# Altium PCB BMS-P00-V00_Edits.PcbDoc (part 2 of 2)
Units mm, origin at the board's own origin, x right, y up, seen from the top; angles counter-clockwise.
Board outline 74.42 x 160 mm, 2 copper layers (Top Layer, Bottom Layer); 192 components, 128 nets, 591 pads, 88 vias.
Unrouted connection lines stored in the file: 78.
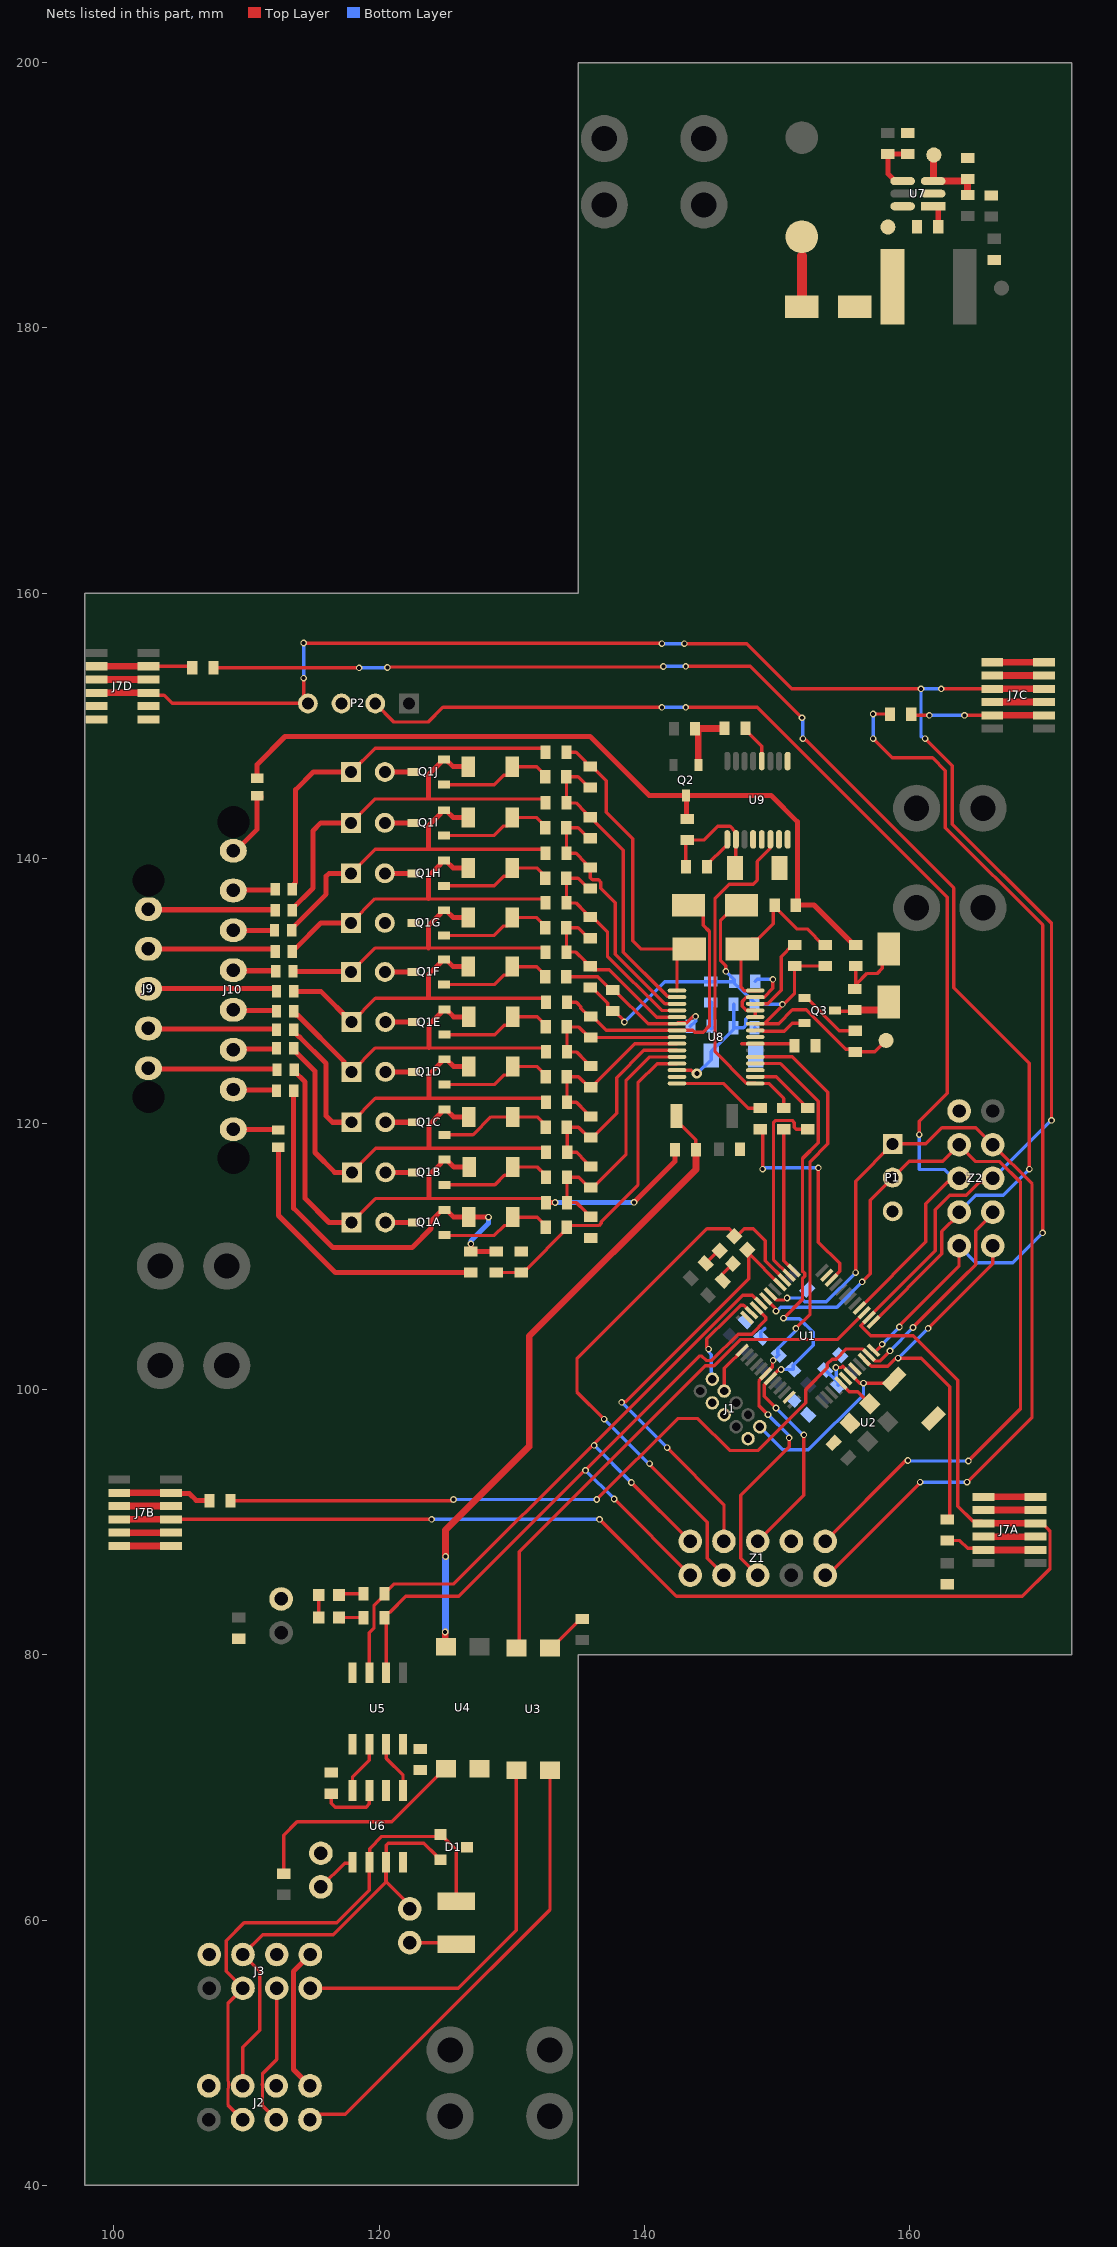
[diagram p2: the nets of this part, all layers, seen from the top]

## Via types
v1: diameter 0.5, hole 0.3, Top Layer to Bottom Layer, 87 vias
v2: diameter 0.762, hole 0.381, Top Layer to Bottom Layer, 1 vias

## Nets (pads, with @x,y where several pads share a name; then routed paths per layer and width w, separated by ;. In a path a pad name is that pad's centre, name@x,y a point inside that pad or via, vN(x,y) a via of type N, cw(c..) or ccw(c..) an arc to the next point about the centre after c; other vN are vias at no path point) (continued)
"BMS BOOT REF": R30.1 SW2.2 U4.4 | length 48.7
  Top Layer w0.254: U4.4@124.928,80.586 U4.4@124.968,80.546 ; SW2.2@142.4,120.6 142.4,120.156 142.717,119.838 142.844,119.838 143.266,119.417 143.867,118.816 R30.1@143.867,118.074 R30.1@143.793,118
  Top Layer w0.508: U4.4@124.968,80.546 v1(124.968,81.713) ; v1(125,87.4) 125,89.4 131.3,95.7 131.3,104 143.867,116.567 143.867,117.926 R30.1@143.793,118
  Bottom Layer w0.508: v1(124.968,81.713) 125,81.745 v1(125,87.4)
"BMS nALARM IN": J2.7 U3.4 | length 34.9
  Top Layer w0.254: J2.7@115,45.06 115.291,45.351 117.428,45.351 123.815,51.739 132.87,60.793 U3.4@132.87,71.3
"BMS nALARM OUT": J3.7 U3.3 | length 29.4
  Top Layer w0.254: J3.7@114.808,54.864 125.964,54.864 130.33,59.23 U3.3@130.33,71.3
"BMS nALARM RETURN": J2.8 J3.8 | length 10.9
  Top Layer w0.381: J2.8@114.78,47.498 113.538,48.74 113.538,56.134 J3.8@114.808,57.404
C0: F13.1 J10.8 | length 3.4
  Top Layer w0.381: J10.8@109,119.6 109.025,119.575 112.375,119.575 F13.1@112.4,119.55
C10: F1.1 J10.1 | length 5.3
  Top Layer w0.381: J10.1@109,140.6 109.185,140.6 110.8,142.215 F1.1@110.8,144.75 F1.1@110.925,144.75
  Top Layer w0.508: F1.1@110.925,144.75 111.021,144.654 F1.1@111.021,144.63
"CAN H": D1.2 J2.4 J3.4 J5.1 U6.7 | length 35.3
  Top Layer w0.254: J2.4@109.7,47.498 109.7,50.4 110.998,51.698 110.998,55.39 110.998,56.134 J3.4@109.728,57.404 111.224,58.9 116.543,58.9 120.521,62.879 ; 120.5,62.925 U6.7@120.5,63.91 ; J5.1@122.3,60.84 122.3,61.1 120.521,62.879 ; D1.2@124.6,64.55 124.55,64.55 124.277,64.823 124.277,64.873 123.35,65.8 120.67,65.8 120.521,65.651 U6.7@120.521,64.364 120.521,63.91 120.521,62.879
"CAN L": D1.1 J2.3 J3.3 R10.1 U6.6 | length 41.8
  Top Layer w0.254: J2.3@109.7,44.958 108.674,45.984 108.6,46.058 108.6,47.247 ccw(c107.38,47.6) 108.6,47.953 108.6,53.736 J3.3@109.728,54.864 108.458,56.134 108.458,58.458 109.806,59.806 116.806,59.806 119.251,62.251 U6.6@119.251,64.364 119.271,64.383 119.271,65.371 120.2,66.3 124.45,66.3 D1.1@124.6,66.45 124.65,66.45 125.8,65.3 R10.1@125.8,61.425
"CAN LBK": J6.2 U6.5 | length 3.2
  Top Layer w0.254: J6.2@115.6,62.5 117.385,64.285 117.903,64.285 U6.5@117.981,64.364
"CAN LED": DS3.1 DS4.1 J4.2 | length 2.7
  Top Layer w0.254: J4.2@112.308,84.492 J4.2@112.6,84.2 J4.2@112.792,84.008 ; DS3.1@115.438,82.8 DS4.1@115.438,84.5
  Top Layer w0.381: DS3.1@115.438,82.8 DS3.1@115.652,83.014
"CAN RX": R9.1 U1.32 U5.3 Z1.9 | length 54.8
  Top Layer w0.254: U5.3@119.253,78.646 119.253,81.653 119.6,82 119.6,83.68 120.393,84.473 R9.1@120.393,84.6 121.124,85.331 125.631,85.331 v1@136.2,95.9 ; v1(136.2,95.78) v1@136.2,95.9 ; v1(139,92.98) Z1.9@143.44,88.54 ; U1.32@148.809,106.479 148.744,106.479 148.123,107.1 147.4,107.1 v1@136.2,95.9
  Bottom Layer w0.254: v1(136.2,95.78) v1(139,92.98)
"CAN RX LED": DS4.2 R9.2 | length 2.2
  Top Layer w0.254: DS4.2@116.962,84.5 117.062,84.6 R9.2@118.807,84.6
  Top Layer w0.381: DS4.2@116.962,84.5 DS4.2@117.216,84.246
"CAN TX": R8.1 U1.33 U5.2 Z1.10 | length 55
  Top Layer w0.254: R8.1@120.393,82.8 120.523,82.67 U5.2@120.523,78.646 ; R8.1@120.393,82.927 120.647,83.181 120.774,83.181 121.993,84.4 126,84.4 135.5,93.9 v1(135.54,93.9) ; v1@135.52,93.92 144.11,102.51 144.321,102.51 144.654,102.177 145.063,102.177 147.046,104.16 148.062,104.16 149.133,105.231 149.133,105.441 148.448,106.126 U1.33@148.423,106.126 ; v1(137.7,91.74) Z1.10@143.44,86
  Top Layer w0.381: R8.1@120.393,82.8 R8.1@120.393,82.927
  Bottom Layer w0.254: v1(135.54,93.9) v1(137.7,91.74)
"CAN TX LED": DS3.2 R8.2 | length 2.2
  Top Layer w0.254: DS3.2@116.962,82.8 R8.2@118.807,82.8
  Top Layer w0.381: DS3.2@116.962,82.8 DS3.2@117.216,82.546
"CELL ALERT": R32.2 U1.22 | length 16.7
  Top Layer w0.254: R32.2@148.7,119.607 148.9,119.407 v1(148.9,116.6) ; v1(153.1,116.7) 153.1,111.092 154.695,109.497 154.695,108.895 154.08,108.28 U1.22@154.08,108.247
  Bottom Layer w0.254: v1(148.9,116.6) 149,116.7 v1(153.1,116.7)
CHG: R29.2 U1.26 | length 15.1
  Top Layer w0.254: U1.26@150.898,108.601 149.713,109.786 149.713,120.103 149.876,120.267 151.124,120.267 151.287,120.103 151.287,119.755 151.436,119.607 R29.2@152.3,119.607
"CHG EN": R29.1 U8.2 | length 5.7
  Top Layer w0.254: U8.2@149.024,123.547 148.349,123.547 U8.2@148.34,123.556 149.024,123.556 149.937,123.556 151.919,121.574 151.919,121.447 152.173,121.193 R29.1@152.3,121.193
CV0: F12.1 J10.7 | length 3.4
  Top Layer w0.381: J10.7@109,122.6 109.05,122.55 112.3,122.55 F12.1@112.35,122.5
CV1: F11.1 J9.5 | length 9.7
  Top Layer w0.381: J9.5@102.6,124.2 102.65,124.15 112.25,124.15 F11.1@112.3,124.1
CV2: F10.1 J10.6 | length 3.3
  Top Layer w0.381: J10.6@109,125.6 109.05,125.65 112.2,125.65 F10.1@112.25,125.7
CV3: F9.1 J9.4 | length 9.7
  Top Layer w0.381: J9.4@102.6,127.2 102.65,127.15 112.2,127.15 F9.1@112.25,127.1
CV4: F8.1 J10.5 | length 3.3
  Top Layer w0.381: J10.5@109,128.6 109.05,128.55 112.2,128.55 F8.1@112.25,128.5
CV5: F7.1 J9.3 | length 9.8
  Top Layer w0.381: J9.3@102.6,130.2 112.09,130.2 112.25,130.04 F7.1@112.25,130
CV6: F6.1 J10.4 | length 3.2
  Top Layer w0.381: J10.4@109,131.6 109.05,131.55 112.15,131.55 F6.1@112.2,131.5
CV7: F5.1 J9.2 | length 9.8
  Top Layer w0.381: J9.2@102.6,133.2 111.99,133.2 112.15,133.04 F5.1@112.15,133
  Top Layer w0.508: F5.1@112.15,133 F5.1@112.222,132.928
CV8: F4.1 J10.3 | length 3.1
  Top Layer w0.381: J10.3@109,134.6 F4.1@112.1,134.6
CV9: F3.1 J9.1 | length 9.6
  Top Layer w0.381: J9.1@102.6,136.2 102.65,136.15 112.1,136.15 F3.1@112.15,136.1
CV10: F2.1 J10.2 | length 3.2
  Top Layer w0.381: J10.2@109,137.6 109.05,137.65 112.1,137.65 F2.1@112.15,137.7
CVF0: D3A.A F12.2 Q1A.S R33.1 R34.2 | length 31.5
  Top Layer w0.381: F12.2@113.55,122.5 113.55,113.65 116.5,110.7 122.477,110.7 123.904,112.127 123.904,112.68 124.754,113.531 Q1A.S@124.904,113.531 125.054,113.531 125.604,112.981 D3A.A@126.752,112.981 v1(128.235,112.981) ; v1(126.9,110.969) R34.2@126.9,110.393 R33.1@128.8,110.393
  Bottom Layer w0.381: v1(126.9,110.969) 126.9,111.181 128.235,112.515 v1(128.235,112.981)
CVF1: D3B.A F11.2 J8A.1 Q1B.S R16A.1 R30.2 | length 46.9
  Top Layer w0.254: J8A.1@117.914,112.581 119.714,114.381 123.757,114.381 R16A.1@132.561,114.381
  Top Layer w0.381: F11.2@113.6,124.1 113.6,123.975 114.4,123.175 114.4,114.4 116.219,112.581 J8A.1@117.914,112.581 ; 123.757,114.459 123.757,116.143 124.663,117.05 Q1B.S@124.663,117.2 ; Q1B.S@124.923,117.309 125.073,117.309 125.623,116.759 D3B.A@126.771,116.759 ; R16A.1@132.561,114.208 R16A.1@132.561,114.081 v1(133.263,114.081) ; v1(139.203,114.097) 142.28,117.173 R30.2@142.28,118.074
  Bottom Layer w0.381: v1(133.263,114.081) 133.283,114.081 133.302,114.1 139.2,114.1 v1(139.203,114.097)
CVF2: D3C.A F10.2 J8B.1 Q1C.S R16B.1 | length 32.8
  Top Layer w0.254: J8B.1@117.933,116.359 119.733,118.159 123.738,118.159 R16B.1@132.58,118.159
  Top Layer w0.381: F10.2@113.55,125.7 113.55,125.575 115.151,123.974 115.151,117.849 116.641,116.359 J8B.1@117.933,116.359 ; 123.738,118.231 123.738,119.915 124.645,120.821 124.645,120.971 124.754,121.081 Q1C.S@124.904,121.081 ; Q1C.S@125.054,121.081 125.604,120.531 D3C.A@126.752,120.531 ; R16B.1@132.58,117.859 R16B.1@132.58,117.986
CVF3: D3D.A F9.2 J8C.1 Q1D.S R16C.1 | length 30.5
  Top Layer w0.254: J8C.1@117.914,120.131 119.714,121.931 123.738,121.931 R16C.1@132.561,121.931
  Top Layer w0.381: F9.2@113.55,127.1 113.55,126.975 113.979,126.546 114.014,126.546 116,124.56 116,120.6 116.469,120.131 J8C.1@117.914,120.131 ; 123.738,122.031 123.738,123.715 124.645,124.621 124.645,124.771 124.754,124.881 Q1D.S@124.904,124.881 ; Q1D.S@125.054,124.881 125.604,124.331 D3D.A@126.752,124.331 ; R16C.1@132.561,121.631 R16C.1@132.561,121.758
CVF4: D3E.A F8.2 J8D.1 Q1E.S R16D.1 | length 27.5
  Top Layer w0.254: J8D.1@117.914,123.931 119.714,125.731 123.738,125.731 R16D.1@132.561,125.731
  Top Layer w0.381: F8.2@113.55,128.5 113.55,128.375 113.71,128.215 113.834,128.215 117.355,124.695 117.355,124.49 J8D.1@117.914,123.931 ; 123.738,125.781 123.738,127.465 124.645,128.371 124.645,128.521 124.754,128.631 Q1E.S@124.904,128.631 125.054,128.631 125.604,128.081 D3E.A@126.752,128.081 ; R16D.1@132.561,125.431 R16D.1@132.561,125.558
CVF5: D3F.A F7.2 J8E.1 Q1F.S R16E.1 R24.2 R27.1 | length 28.3
  Top Layer w0.254: J8E.1@117.914,127.681 119.714,129.481 R16E.1@132.561,129.481
  Top Layer w0.381: F7.2@113.55,130 115.595,130 J8E.1@117.914,127.681 ; 123.702,129.561 123.702,131.245 124.608,132.152 124.608,132.302 124.718,132.411 125.018,132.411 125.568,131.861 D3F.A@126.716,131.861 ; R16E.1@132.561,129.181 R16E.1@132.561,129.308
  Bottom Layer w0.381: R24.2@144.98,129.149 145.006,129.123 145.006,127.384 R27.1@145.032,127.358 R27.1@145.032,127.231
CVF6: D3G.A F6.2 J8F.1 Q1G.S R16F.1 | length 25.4
  Top Layer w0.254: J8F.1@117.878,131.461 119.678,133.261 R16F.1@132.524,133.261
  Top Layer w0.381: F6.2@113.5,131.5 117.839,131.5 J8F.1@117.878,131.461 ; 123.702,133.261 123.702,134.945 124.608,135.852 124.608,136.002 124.718,136.111 Q1G.S@124.868,136.111 125.018,136.111 125.568,135.561 D3G.A@126.716,135.561 ; R16F.1@132.524,132.961 R16F.1@132.524,133.088
CVF7: D3H.A F5.2 J8G.1 Q1H.S R16G.1 | length 26.4
  Top Layer w0.254: J8G.1@117.878,135.161 119.678,136.961 R16G.1@132.524,136.961
  Top Layer w0.381: F5.2@113.45,133 113.45,133.125 113.609,133.284 113.734,133.284 115.611,135.161 J8G.1@117.878,135.161 ; 123.704,136.997 123.704,138.681 124.611,139.587 124.611,139.737 124.72,139.847 125.02,139.847 125.57,139.297 D3H.A@126.718,139.297 ; R16G.1@132.524,136.661 R16G.1@132.524,136.788
CVF8: D3I.A F4.2 J8H.1 Q1I.S R16H.1 | length 28.1
  Top Layer w0.254: J8H.1@117.88,138.897 119.68,140.697 123.704,140.697 R16H.1@132.527,140.697
  Top Layer w0.381: F4.2@113.4,134.6 113.4,134.725 116,137.325 116,138.674 116.223,138.897 J8H.1@117.88,138.897 ; 123.704,140.797 123.704,142.481 124.611,143.387 124.611,143.537 124.72,143.647 Q1I.S@124.87,143.647 125.02,143.647 125.57,143.097 D3I.A@126.718,143.097 ; R16H.1@132.527,140.397 R16H.1@132.527,140.524
CVF9: D3J.A F3.2 J8I.1 Q1J.S R16I.1 | length 30.8
  Top Layer w0.254: J8I.1@117.88,142.697 119.68,144.497 123.704,144.497 R16I.1@132.527,144.497
  Top Layer w0.381: F3.2@113.45,136.1 113.45,136.225 115,137.775 115,142.1 115.597,142.697 J8I.1@117.88,142.697 ; 123.704,144.631 123.704,146.315 124.611,147.221 124.611,147.371 124.72,147.481 Q1J.S@124.87,147.481 125.02,147.481 125.57,146.931 D3J.A@126.718,146.931 ; R16I.1@132.527,144.197 R16I.1@132.527,144.324
CVF10: F2.2 J8J.1 R16J.1 | length 27.9
  Top Layer w0.254: J8J.1@117.88,146.531 119.68,148.331 R16J.1@132.527,148.331
  Top Layer w0.381: F2.2@113.45,137.7 113.609,137.86 113.609,138.117 113.7,138.208 113.7,145.2 115.031,146.531 J8J.1@117.88,146.531 ; R16J.1@132.527,148.031 R16J.1@132.527,148.158
DSG: R28.2 U1.25 | length 11
  Top Layer w0.254: R28.2@150.5,119.607 150.5,109.706 U1.25@151.252,108.954
"DSG EN": R28.1 U8.1 U9.6 | length 26.2
  Top Layer w0.254: U9.6@149.48,141.449 149.442,141.412 149.442,140.742 148.488,139.788 148.488,138.388 148.176,138.076 146.381,138.076 145.31,137.005 145.31,125.429 147.674,123.065 148.332,123.065 U8.1@148.34,123.056 149.368,123.056 150.5,121.924 R28.1@150.5,121.193
"DSG MOSFET": Q2.G R20.1 R23.2 | length 4.9
  Top Layer w0.508: R20.1@143.793,149.8 143.799,149.806 146.014,149.806 R23.2@146.02,149.812 ; R20.1@144.044,149.767 144.044,147.102 Q2.G@144.074,147.072
GND: C1.1 C2.1 C3.1 C4.1 C5.1 C6.1 C7.1 C8.1 C10.1 C13.K C14.1 C15.1 C16A.1 C19.1 C20.1 C21.1 C23.1 C24.1 C26.1 D2.A F13.2 J1.3 J1.5 J1.9 J7A.3 J7A.5 J7A.6 J7B.3 J7B.5 J7B.6 J7C.3 J7C.5 J7C.6 J7D.3 J7D.5 J7D.6 P1.3 P2.3 R14.1 R15.1 R31.1 R34.1 SW1.1 U1.6 U1.8 U1.23 U1.35 U1.47 U2.2 U5.4 U7.2 U8.3 U8.28 U8.29 U9.4 U9.5 U9.7 U9.8 U9.9 Z1.3 Z2.10 | length 77.6
  Top Layer w0.254: U5.4@117.983,78.646 U5.4@117.983,79.121 ; U8.28@142.44,124.056 143.521,124.056 143.759,123.818 v2(143.934,123.818) ; C23.1@150.178,138.995 C23.1@150.178,139.3
  Top Layer w0.381: F13.2@112.4,118.25 112.4,113.1 116.693,108.807 R34.1@126.9,108.807 ; D2.A@151.838,181.61 D2.A@152.112,181.336 ; 151.851,185.42 C13.K@151.851,186.873 ; R14.1@159.838,194.697 R14.1@159.965,194.697 ; U7.2@161.751,190.119 U7.2@161.795,190.074
  Top Layer w0.508: J7D.3@98.7,153.5 J7D.3@102.6,153.5 ; J7B.6@100.4,88.2 J7B.6@104.3,88.2 ; J7B.5@100.4,89.2 J7B.5@104.3,89.2 ; J7B.3@100.4,91.2 J7B.3@104.3,91.2 ; J7A.3@165.55,88.9 J7A.3@169.45,88.9 ; J7A.5@165.55,90.9 J7A.5@169.45,90.9 ; J7A.6@165.55,91.9 J7A.6@169.45,91.9 ; J7C.3@166.2,151.8 J7C.3@170.1,151.8 ; J7C.5@166.2,153.8 J7C.5@170.1,153.8 ; J7C.6@166.2,154.8 J7C.6@170.1,154.8
  Top Layer w0.762: D2.A@151.838,181.61 151.851,181.623 151.851,185.42
  Bottom Layer w0.254: v2(143.934,123.818) 143.978,123.818 145.017,124.857 145.017,125.466 145.487,125.936 145.527,125.936 146.736,127.144 146.706,127.174 C21.1@146.706,127.262 ; C21.1@146.696,127.262 C21.1@146.706,127.262 ; C20.1@146.706,129.017 C21.1@146.706,127.262 ; 147.786,128.049 147.622,127.886 147.622,127.426 147.458,127.262 C21.1@146.706,127.262 ; C6.1@148.807,103.904 148.767,103.944 148.767,104.303 149.073,104.609
"I2C1 SCL": R1.1 U1.42 U8.5 Z1.6 | length 48.1
  Top Layer w0.254: U8.5@148.34,125.056 151.144,125.056 153.8,122.4 153.8,118.5 152.469,117.169 152.469,105.669 v1(151.4,104.6) ; Z1.6@148.52,86 147.25,87.27 147.25,92.024 150.9,95.674 v1(150.9,96.349) ; v1(149.3,98.099) 148.621,98.777 148.621,100.634 149.13,101.143 U1.42@149.13,101.176 149.13,101.208 149.639,101.717 149.639,102.133 v1(149.686,102.18)
  Bottom Layer w0.254: v1(149.3,98.099) 150.9,96.499 v1(150.9,96.349) ; v1@149.682,102.184 R1.1@150.114,102.616 150.045,102.685 150.045,103.045 151.4,104.4 v1(151.4,104.6)
"I2C1 SDA": R2.1 U1.43 U8.4 Z1.5 | length 46.4
  Top Layer w0.254: U8.4@148.34,124.556 150.244,124.556 153.087,121.713 153.087,118.587 151.9,117.4 151.9,108.913 152.061,108.752 152.061,108.52 151.9,108.359 151.9,106.792 v1(150.47,105.363) ; Z1.5@148.52,88.54 148.52,88.553 151.997,92.03 v1(151.997,96.569) ; U1.43@149.484,100.822 149.484,100.79 149.028,100.334 149.028,99.472 v1(149.901,98.599) ; U1.43@149.712,101.083 150.073,101.445 150.247,101.445 v1(150.294,101.492)
  Bottom Layer w0.254: v1(149.901,98.599) 151.931,96.569 v1(151.997,96.569) ; v1@150.293,101.496 R2.1@151.205,101.496 151.205,101.82 152.7,103.314 152.7,104.3 151.674,105.326 150.507,105.326 v1(150.47,105.363) ; v1(150.294,101.492) v1@150.294,101.496
"ISO 3V3": C9.2 C11.2 J2.5 J3.5 J6.1 U5.8 U6.3 | length 16.1
  Top Layer w0.254: J2.5@112.24,44.958 111.274,45.924 111.2,45.998 111.2,47.441 cw(c112.46,47.6) 111.2,47.759 111.2,48.423 112.268,49.491 J3.5@112.268,54.864 ; C11.2@116.383,69.522 116.383,68.817 116.687,68.513 119.013,68.513 119.251,68.751 U6.3@119.251,69.764
  Top Layer w0.508: U5.8@121.793,72.771 U5.8@121.793,73.246
"ISO CAN RX": U5.6 U6.4 | length 4
  Top Layer w0.254: U6.4@117.981,69.764 117.981,70.781 119.253,72.053 U5.6@119.253,73.246
"ISO CAN TX": U5.7 U6.1 | length 4
  Top Layer w0.254: U5.7@120.523,73.246 120.523,72.177 121.791,70.909 U6.1@121.791,69.764
"ISO GND": C9.1 C11.1 D1.3 J2.2 J2.6 J3.2 J3.6 U4.2 U5.5 U6.2 U6.8
LED0: DS1.2 U1.27 Z1.8 | length 43.6
  Top Layer w0.254: v1(136.951,97.749) 134.9,99.8 134.9,102.3 144.7,112.1 146.378,112.1 146.939,111.539 147.5,112.1 148.2,112.1 149.1,111.2 149.1,109.691 U1.27@150.544,108.247 ; v1(140.375,94.4) 140.375,94.325 144.71,89.99 144.71,87.27 Z1.8@145.98,86
  Bottom Layer w0.254: v1(136.951,97.749) 140.3,94.4 v1(140.375,94.4)
LED1: DS2.2 U1.28 Z1.7 | length 32.7
  Top Layer w0.254: v1(138.275,99.025) 138.322,99.072 138.572,99.072 147.839,108.339 147.839,110.246 U1.28@150.191,107.893 ; v1(141.7,95.6) 145.98,91.32 Z1.7@145.98,88.54 ; DS2.2@147.739,110.146 DS2.2@147.739,110.539
  Bottom Layer w0.254: v1(138.275,99.025) v1(141.7,95.6)
nALARM: U1.15 U3.2 | length 40.7
  Top Layer w0.254: U3.2@130.556,80.546 130.556,87.756 144.571,101.771 145.231,101.771 147.214,103.753 154.536,103.753 156.522,105.74 156.555,105.74 U1.15@156.555,105.772
NetC16B_1: C16A.2 C16B.1 R16A.2 R17B.2 U8.26 | length 20.2
  Top Layer w0.254: C16A.2@135.938,113.008 135.811,113.008 135.557,113.262 135.557,113.389 134.866,114.081 R16A.2@134.148,114.081 134.15,114.083 R17B.2@134.15,115.993 135.037,115.993 135.83,115.2 C16B.1@135.957,115.2 136.084,115.2 138.6,117.716 138.6,123.3 140.347,125.047 U8.26@142.432,125.047
NetC16C_1: C16B.2 C16C.1 R16B.2 R17C.2 U8.25 | length 17.2
  Top Layer w0.254: C16B.2@135.957,116.787 135.83,116.787 135.576,117.041 135.576,117.168 134.884,117.859 R16B.2@134.166,117.859 134.166,119.73 R17C.2@134.132,119.765 135.018,119.765 135.811,118.971 136.065,118.971 137.9,120.806 137.9,123.5 139.947,125.547 142.432,125.547 U8.25@142.44,125.556
NetC16D_1: C16C.2 C16D.1 R16C.2 R17D.2 U8.24 | length 14.3
  Top Layer w0.254: C16C.2@135.938,120.558 135.811,120.558 135.557,120.812 135.557,120.939 134.866,121.631 R16C.2@134.148,121.631 134.148,123.549 R17D.2@134.132,123.565 135.018,123.565 135.811,122.771 C16D.1@135.938,122.771 136.065,122.771 136.319,123.025 136.319,123.119 139.256,126.056 U8.24@142.44,126.056
NetC16E_1: C16D.2 C16E.1 R16D.2 R17E.2 U8.23 | length 12.7
  Top Layer w0.254: C16E.1@135.811,126.521 135.018,127.315 R17E.2@134.132,127.315 134.148,127.299 R16D.2@134.148,125.431 134.866,125.431 135.557,124.739 135.557,124.612 135.811,124.358 C16D.2@135.938,124.358 ; C16E.1@135.938,126.521 141.843,126.521 141.878,126.556 U8.23@142.44,126.556
NetC16E_2: C16E.2 D6.A R16E.2 U8.22 | length 21.9
  Top Layer w0.254: R16E.2@134.148,129.181 134.866,129.181 135.198,128.848 135.198,128.721 135.811,128.108 136.065,128.108 137.118,127.056 143.645,127.056 143.776,126.925 144.408,126.925 144.891,127.407 144.891,134.509 144.423,134.977 144.423,135.777 143.7,136.5 D6.A@143.3,136.5
NetC16G_1: C16F.2 C16G.1 R16F.2 R17G.2 U8.20 | length 14.3
  Top Layer w0.254: C16F.2@135.775,131.889 135.521,132.143 135.521,132.27 134.829,132.961 R16F.2@134.111,132.961 134.111,134.779 R17G.2@134.095,134.795 134.981,134.795 135.775,134.002 C16G.1@135.902,134.002 ; C16F.2@135.902,131.889 136.156,131.635 137.343,131.635 140.922,128.056 U8.20@142.44,128.056
NetC16H_1: C16G.2 C16H.1 R16G.2 R17H.2 U8.19 | length 16.9
  Top Layer w0.254: C16H.1@135.904,137.737 135.777,137.737 134.984,138.531 R17H.2@134.098,138.531 134.111,138.517 R16G.2@134.111,136.661 134.829,136.661 135.521,135.97 135.521,135.843 135.775,135.589 C16G.2@135.902,135.589 136.156,135.335 136.365,135.335 137.2,134.5 137.2,132.651 141.295,128.556 U8.19@142.44,128.556
NetC16I_1: C16H.2 C16I.1 R16H.2 R17I.2 U8.18 | length 20.2
  Top Layer w0.254: C16I.1@135.904,141.537 135.777,141.537 134.984,142.331 R17I.2@134.098,142.331 134.114,142.315 R16H.2@134.114,140.397 134.832,140.397 135.523,139.705 135.523,139.578 135.777,139.324 C16H.2@135.904,139.324 135.904,138.562 136.069,138.398 136.528,138.398 136.692,138.234 136.692,137.775 137.8,136.667 137.8,132.8 141.535,129.065 142.432,129.065 U8.18@142.44,129.056
NetC16J_1: C16I.2 C16J.1 R16I.2 R17J.2 U8.17 | length 23.1
  Top Layer w0.254: C16J.1@135.904,145.371 135.777,145.371 134.984,146.165 R17J.2@134.098,146.165 134.114,146.149 R16I.2@134.114,144.197 134.832,144.197 135.523,143.505 135.523,143.378 135.777,143.124 C16I.2@135.904,143.124 136.031,143.124 136.285,142.87 136.285,142.743 138.4,140.629 138.4,132.939 141.461,129.878 141.713,129.627 141.807,129.627 141.869,129.565 U8.17@142.432,129.565
NetC16J_2: C16J.2 D4.A R16J.2 U8.16 | length 24.7
  Top Layer w0.254: R16J.2@134.114,148.031 134.832,148.031 135.523,147.339 135.523,147.212 135.777,146.958 C16J.2@135.904,146.958 136.031,146.958 136.951,146.038 136.951,146.032 137.1,145.883 137.1,143.5 139.1,141.5 139.1,133.8 139.708,133.192 143.091,133.192 D4.A@143.361,133.192 ; U8.16@142.44,130.056 142.44,132.469 D4.A@143.091,133.12
NetC17_2: C17.2 D4.K R18.1 U8.15 | length 14.2
  Top Layer w0.254: U8.15@148.723,130.077 148.701,130.056 147.52,130.056 147.266,130.31 147.266,133.097 148.084,133.915 148.515,133.915 149.7,135.1 149.7,136.393 R18.1@149.807,136.5 149.807,136.373 151.48,134.7 152.26,134.7 153.473,133.487 C17.2@153.6,133.487
NetC18_2: C18.2 U8.11 U8.12 U8.14 | length 6.8
  Top Layer w0.254: U8.11@148.34,128.056 U8.12@148.34,128.556 148.332,128.565 147.674,128.565 147.361,128.878 147.361,129.234 147.674,129.547 148.332,129.547 148.349,129.565 149.006,129.565 149.669,130.227 v1(149.669,130.9)
  Bottom Layer w0.254: C18.2@148.339,130.743 148.496,130.9 v1(149.669,130.9)
NetC19_2: C19.2 U8.8
NetC21_2: C21.2 Q3.S U8.9 | length 4.4
  Top Layer w0.254: U8.9@148.34,127.056 148.903,127.056 148.959,127 150.539,127 151.138,127.6 Q3.S@152.053,127.6
  Bottom Layer w0.254: C21.2@148.282,127.262 148.546,126.999 C21.2@148.555,127.008
NetC22_1: C22.1 C23.2 R26.1 U9.2 | length 9
  Top Layer w0.254: C22.1@143.107,139.4 143.107,141.313 R26.1@143.2,141.407 144.499,141.407 145.521,142.429 146.439,142.429 146.842,142.025 U9.2@146.842,141.487 ; C23.2@146.822,139.3 146.88,139.358 U9.2@146.88,141.449
NetC22_2: C22.2 U9.1 | length 2.8
  Top Layer w0.254: C22.2@144.693,139.273 C22.2@144.693,139.4 144.693,139.527 146.103,140.937 146.139,140.937 146.23,141.027 U9.1@146.23,141.449
NetC24_2: C24.2 U8.7 | length 4.3
  Top Layer w0.254: 147.33,126.056 U8.7@148.34,126.056 151.151,126.056 C24.2@151.307,125.9 C24.2@151.498,125.804
NetC25_2: C25.2 R17F.2 R27.2 U8.21 | length 12.2
  Top Layer w0.254: R17F.2@134.095,131.095 136.471,131.095 C25.2@137.473,130.093 ; C25.2@137.6,130.093 137.727,130.093 140.264,127.556 U8.21@142.44,127.556 142.511,127.627 143.168,127.627 143.661,128.12 v1(143.842,128.12)
  Bottom Layer w0.254: R27.2@143.445,127.358 143.842,127.754 v1(143.842,128.12)
NetC26_2: C26.2 R17A.2 R33.2 U8.27 | length 24.8
  Top Layer w0.254: R33.2@128.8,108.807 C26.2@130.7,108.807 130.954,109.061 131.105,109.061 134.132,112.088 R17A.2@134.132,112.215 134.265,112.348 136.562,112.348 136.726,112.511 136.726,112.626 139.5,115.4 139.5,123.1 140.947,124.547 142.432,124.547 U8.27@142.44,124.556
NetD3A_K: D3A.K Q1A.G R17A.1 | length 8.8
  Top Layer w0.254: Q1A.G@124.904,111.631 124.935,111.6 128.674,111.6 129.419,112.346 129.673,112.346 130.054,112.727 D3A.K@130.054,112.981 131.906,112.981 132.545,112.342 R17A.1@132.545,112.215
NetD3B_K: D3B.K Q1B.G R17B.1 | length 8.7
  Top Layer w0.254: Q1B.G@124.923,115.409 128.723,115.409 129.438,116.124 129.692,116.124 130.073,116.505 D3B.K@130.073,116.759 131.925,116.759 132.564,116.12 R17B.1@132.564,115.993
NetD3C_K: D3C.K Q1C.G R17C.1 | length 8.6
  Top Layer w0.254: Q1C.G@124.904,119.181 127.068,119.181 128.418,120.531 D3C.K@130.054,120.531 131.906,120.531 132.545,119.892 R17C.1@132.545,119.765
NetD3D_K: D3D.K Q1D.G R17D.1 | length 8.7
  Top Layer w0.254: Q1D.G@124.904,122.981 128.704,122.981 129.419,123.696 129.673,123.696 130.054,124.077 D3D.K@130.054,124.331 131.906,124.331 132.545,123.692 R17D.1@132.545,123.565
NetD3E_K: D3E.K Q1E.G R17E.1 | length 8.7
  Top Layer w0.254: Q1E.G@124.904,126.731 128.704,126.731 129.419,127.446 129.673,127.446 130.054,127.827 D3E.K@130.054,128.081 131.906,128.081 132.545,127.442 R17E.1@132.545,127.315
NetD3F_K: D3F.K Q1F.G R17F.1 | length 8.7
  Top Layer w0.254: Q1F.G@124.868,130.511 128.668,130.511 129.383,131.226 129.637,131.226 130.018,131.607 D3F.K@130.018,131.861 131.869,131.861 132.508,131.222 R17F.1@132.508,131.095
NetD3G_K: D3G.K Q1G.G R17G.1 | length 8.7
  Top Layer w0.254: Q1G.G@124.868,134.211 128.668,134.211 129.383,134.926 129.637,134.926 130.018,135.307 D3G.K@130.018,135.561 131.869,135.561 132.508,134.922 R17G.1@132.508,134.795
NetD3H_K: D3H.K Q1H.G R17H.1 | length 8.7
  Top Layer w0.254: Q1H.G@124.87,137.947 128.67,137.947 129.385,138.662 129.639,138.662 130.02,139.043 D3H.K@130.02,139.297 131.872,139.297 132.511,138.658 R17H.1@132.511,138.531
NetD3I_K: D3I.K Q1I.G R17I.1 | length 8.7
  Top Layer w0.254: Q1I.G@124.87,141.747 128.67,141.747 129.385,142.462 129.639,142.462 130.02,142.843 D3I.K@130.02,143.097 131.872,143.097 132.511,142.458 R17I.1@132.511,142.331
NetD3J_K: D3J.K Q1J.G R17J.1 | length 8.7
  Top Layer w0.254: Q1J.G@124.87,145.581 128.67,145.581 129.385,146.296 129.639,146.296 130.02,146.677 D3J.K@130.02,146.931 131.872,146.931 132.511,146.292 R17J.1@132.511,146.165
NetD5_A: D5.A R19.1 R21.2 | length 5.3
  Top Layer w0.254: R21.2@155.902,130.188 155.902,130.582 R19.1@155.902,131.909 ; 155.997,130.582 156.759,131.344 157.521,131.344 157.923,131.745 D5.A@157.923,132.708
  Top Layer w0.508: R19.1@155.902,131.909 R19.1@156.029,132.036
NetD5_K: D5.K Q3.D R21.1 | length 4.5
  Top Layer w0.254: Q3.D@154.353,128.55 154.398,128.504 155.742,128.504 R21.1@155.838,128.6
  Top Layer w0.508: R21.1@155.838,128.6 157.805,128.6 158.401,129.196 D5.K@158.401,129.387
NetDS1_1: DS1.1 R4.1 | length 1.7
  Top Layer w0.254: R4.1@144.6,109.5 145.561,110.461 DS1.1@145.861,110.461
NetDS2_1: DS2.1 R5.1 | length 1.8
  Top Layer w0.254: R5.1@145.9,108.2 145.83,108.27 145.83,108.63 DS2.1@146.761,109.561
NetF1_2: F1.2 Q2.D R18.2 R19.2 R26.2 | length 59.2
  Top Layer w0.381: F1.2@110.8,146.05 110.8,147.1 112.9,149.2 135.9,149.2 140.328,144.772 Q2.D@143.124,144.772 ; R26.2@143.2,142.993 143.162,143.031 143.162,144.734 Q2.D@143.124,144.772 ; R19.2@155.902,133.496 155.775,133.496 152.771,136.5 R18.2@151.393,136.5 151.511,136.618 151.511,142.789 149.528,144.772 Q2.D@143.124,144.772
NetJ5_2: J5.2 R10.2 | length 3.6
  Top Layer w0.254: J5.2@122.3,58.3 125.675,58.3 R10.2@125.8,58.175
NetJ7A_2: J7A.2 R11A.2 | length 6.9
  Top Layer w0.254: R11A.2@162.8,88.607 163.752,88.607 164.343,88.015 165.435,88.015 J7A.2@165.55,87.9
  Top Layer w0.508: J7A.2@165.55,87.9 J7A.2@169.45,87.9
NetJ7B_2: J7B.2 R11B.2 | length 7.1
  Top Layer w0.381: J7B.2@104.3,92.2 104.361,92.139 105.697,92.139 106.201,91.635 107.172,91.635 R11B.2@107.207,91.6
  Top Layer w0.508: J7B.2@100.4,92.2 J7B.2@104.3,92.2
NetJ7C_2: J7C.2 R11C.2 | length 10
  Top Layer w0.254: R11C.2@160.093,150.9 160.193,150.8 v1(161.465,150.8) ; v1(164.105,150.8) J7C.2@166.2,150.8
  Top Layer w0.508: J7C.2@166.2,150.8 J7C.2@170.1,150.8
  Bottom Layer w0.254: v1(161.465,150.8) v1(164.105,150.8)
NetJ7D_2: J7D.2 R11D.2 | length 7.2
  Top Layer w0.254: J7D.2@102.6,154.5 105.807,154.5 R11D.2@105.907,154.4
  Top Layer w0.508: J7D.2@98.7,154.5 J7D.2@102.6,154.5
NetJ8A_2: J8A.2 Q1A.D | length 2.2
  Top Layer w0.381: J8A.2@120.518,112.517 J8A.2@120.454,112.581 Q1A.D@122.604,112.581
NetJ8B_2: J8B.2 Q1B.D | length 2.1
  Top Layer w0.381: J8B.2@120.473,116.359 Q1B.D@122.623,116.359
NetJ8C_2: J8C.2 Q1C.D | length 2.2
  Top Layer w0.381: J8C.2@120.518,120.067 J8C.2@120.454,120.131 Q1C.D@122.604,120.131
NetJ8D_2: J8D.2 Q1D.D | length 2.1
  Top Layer w0.381: J8D.2@120.454,123.931 Q1D.D@122.604,123.931
NetJ8E_2: J8E.2 Q1E.D | length 2.2
  Top Layer w0.381: J8E.2@120.518,127.617 J8E.2@120.454,127.681 Q1E.D@122.604,127.681
NetJ8F_2: J8F.2 Q1F.D | length 2.1
  Top Layer w0.381: J8F.2@120.418,131.461 Q1F.D@122.568,131.461
NetJ8G_2: J8G.2 Q1G.D | length 0.1
  Top Layer w0.381: J8G.2@120.418,135.161 J8G.2@120.481,135.098
NetJ8H_2: J8H.2 Q1H.D | length 2.2
  Top Layer w0.381: J8H.2@120.484,138.833 J8H.2@120.42,138.897 Q1H.D@122.57,138.897
NetJ8I_2: J8I.2 Q1I.D | length 2.2
  Top Layer w0.381: J8I.2@120.484,142.633 J8I.2@120.42,142.697 Q1I.D@122.57,142.697
NetJ8J_2: J8J.2 Q1J.D | length 2.2
  Top Layer w0.381: J8J.2@120.484,146.467 J8J.2@120.42,146.531 Q1J.D@122.57,146.531
NetQ3_G: Q3.G R25.1 | length 4.7
  Top Layer w0.254: Q3.G@152.203,129.5 154.677,127.026 R25.1@155.87,127.026
NetR6_1: R6.1 U3.1 | length 3.3
  Top Layer w0.254: U3.1@132.87,80.5 132.97,80.5 134.909,82.439 135.046,82.439 R6.1@135.3,82.693
NetR7_2: R7.2 U4.1 | length 17.2
  Top Layer w0.254: R7.2@112.8,63.493 112.8,66.4 113.8,67.4 120.93,67.4 124.93,71.4 U4.1@125.03,71.4
NetR22_2: R22.2 U8.13 | length 6.3
  Top Layer w0.254: U8.13@148.34,129.056 148.349,129.065 149.274,129.065 150.3,130.09 150.3,132.62 151.173,133.493 R22.2@151.3,133.493
NetR23_1: R23.1 U9.12 | length 2.8
  Top Layer w0.254: R23.1@147.607,149.685 148.83,148.462 U9.12@148.83,147.349
NetR32_1: R32.1 U8.30 | length 7
  Top Layer w0.254: U8.30@142.44,123.056 145.944,123.056 147.807,121.193 R32.1@148.7,121.193
NRST: C8.2 J1.10 R3.1 SW1.2 U1.7 | length 19.2
  Top Layer w0.254: J1.10@148.692,97.18 J1.10@148.837,97.326 ; v1(154.408,101.652) 154.832,101.652 154.925,101.745 U1.7@155.494,101.176 156.199,100.471 156.494,100.471 v1(156.5,100.464) 158.495,100.464 SW1.2@158.815,100.785
  Bottom Layer w0.254: J1.10@148.692,97.18 150.429,95.443 152.335,95.443 156.5,99.608 v1(156.5,100.464) ; C8.2@153.608,101.459 R3.1@154.437,100.631 ; v1@154.405,101.745 154.405,101.655 v1(154.408,101.652) ; v1@154.437,101.708 154.437,100.813 154.504,100.746 154.437,100.678 R3.1@154.437,100.631 ; R3.1@154.594,100.297 154.594,100.473 R3.1@154.437,100.631
"OSC IN": U1.5 U2.3 | length 2.8
  Top Layer w0.254: U1.5@154.787,100.469 155.434,99.822 156.063,99.822 U2.3@156.971,98.914
"PWR CB": C12.1 U7.1 | length 1.9
  Top Layer w0.381: U7.1@161.751,189.169 162.016,189.169 162.131,189.053 C12.1@162.131,187.61
"PWR FB": R13.1 R15.2 TP9.1 U7.3 | length 6
  Top Layer w0.381: R15.2@164.338,191.104 R15.2@164.465,191.231
  Top Layer w0.508: TP9.1@161.798,193.04 161.775,193.017 161.775,191.092 U7.3@161.751,191.069 164.049,191.069 164.211,191.231 R15.2@164.338,191.231 164.338,191.104 R13.1@164.338,190.023
"PWR SHDN": R12.1 R14.2 U7.4 | length 4.8
  Top Layer w0.381: U7.4@159.838,191.175 159.731,191.069 U7.4@159.451,191.069 158.892,191.069 158.338,191.623 R12.1@158.338,193.11 R14.2@159.838,193.11
"PWR SW": C12.2 D2.K L1.1 TP8.1 U7.6
SWCLK: J1.4 U1.37 | length 4.2
  Top Layer w0.254: J1.4@145.998,99.874 145.998,101.579 146.613,102.194 146.966,102.547 U1.37@147.362,102.944 147.33,102.944 U1.37@146.95,102.563
SWDIO: J1.2 U1.34 | length 7.9
  Top Layer w0.254: v1(144.832,103.032) 144.691,103.173 144.691,103.797 146.304,105.41 147.246,106.352 147.457,106.352 147.634,106.175 148.037,105.772 U1.34@148.07,105.772 ; J1.2@145.1,100.772 J1.2@145.113,100.772
  Bottom Layer w0.254: v1(144.832,103.032) 144.832,102.825 145.034,102.623 145.034,100.838 J1.2@145.1,100.772
TEMP1: R11A.1 U1.10 Z2.1 | length 29.5
  Top Layer w0.254: U1.10@156.555,102.237 156.587,102.237 157.096,101.728 158.328,101.728 159.043,102.443 159.043,102.415 v1(159.112,102.346) 160.854,102.346 163.007,100.193 163.007,90.401 R11A.1@162.8,90.193 ; v1(161.366,104.6) 166.25,109.483 166.25,110.57 Z2.1@166.5,110.82
  Bottom Layer w0.254: v1(159.112,102.346) v1(161.366,104.6)
TEMP2: R11B.1 U1.11 Z2.3 | length 73.2
  Top Layer w0.254: R11B.1@108.793,91.6 125.433,91.6 125.533,91.7 v1(125.6,91.7) ; v1(136.392,91.7) 142.492,97.8 144,97.8 146.407,95.393 148.555,95.393 151.407,98.245 152.137,98.975 152.137,99.989 153.777,101.629 153.777,101.913 154.147,102.283 154.431,102.283 155.195,103.046 156.42,103.046 156.876,102.59 U1.11@156.908,102.59 156.941,102.59 157.397,102.134 157.734,102.134 v1(158.5,102.9) ; v1(160.226,104.662) 163.96,108.396 164.97,109.406 164.97,111.97 166.24,113.24 Z2.3@166.24,113.36 ; Z2.3@166.371,113.999 Z2.3@166.429,113.999
  Bottom Layer w0.254: v1(125.6,91.7) v1(136.392,91.7) ; v1(158.5,102.9) 160.226,104.626 v1(160.226,104.662) ; Z2.3@165.943,113.36 Z2.3@166.24,113.36 Z2.3@166.24,112.948 ; Z2.3@166.429,113.999 166.429,113.875 166.592,113.712 Z2.3@166.944,113.36
TEMP3: R11C.1 U1.12 Z2.2 | length 66.1
  Top Layer w0.254: v1(157.219,149.042) 158.661,147.6 161.7,147.6 162.659,146.641 162.659,146.536 162.659,143.8 162.659,142.341 170,135 v1(170,111.8) ; v1(157.219,150.9) R11C.1@158.507,150.9 ; U1.12@157.262,102.944 157.356,102.849 157.389,102.849 157.9,103.36 v1(157.9,103.4) ; v1(159.197,104.697) 159.244,104.744 159.244,104.844 163.7,109.3 Z2.2@163.7,110.82
  Bottom Layer w0.254: v1(157.219,149.042) v1(157.219,150.9) ; v1@158.015,103.476 157.939,103.4 v1(157.9,103.4) v1(159.197,104.697) ; Z2.2@163.7,110.82 164.97,109.55 167.75,109.55 v1(170,111.8)
TEMP4: R11D.1 U1.13 Z2.4 | length 104.8
  Top Layer w0.254: R11D.1@107.493,154.4 107.509,154.384 v1(118.484,154.384) ; v1(120.606,154.406) 120.646,154.446 141.375,154.446 v1(141.414,154.486) ; v1(143.1,154.5) 147.98,154.5 v1(151.861,150.619) ; v1(151.923,149.042) 151.99,149.042 152.113,148.919 152.173,148.919 163.3,137.792 163.3,130.277 169,124.577 v1(169,116.6) ; U1.13@157.262,105.065 162.4,110.203 162.4,111.9 163.7,113.2 Z2.4@163.7,113.36
  Bottom Layer w0.254: v1(118.484,154.384) 118.5,154.4 120.6,154.4 v1(120.606,154.406) ; v1(141.414,154.486) 141.429,154.5 v1(143.1,154.5) ; v1(151.861,150.619) 151.908,150.572 151.908,150.326 151.923,150.31 v1(151.923,149.042) ; Z2.4@163.7,113.36 164.97,114.63 167.03,114.63 v1(169,116.6)
TEMP5: P2.2 U1.16 Z2.6 | length 88
  Top Layer w0.254: P2.2@119.7,151.7 121.1,150.3 123.7,150.3 124.8,151.4 v1(141.3,151.4) ; v1(143.1,151.4) 148.5,151.4 162.8,137.1 162.8,122.3 160.7,120.2 v1(160.7,119.2) ; U1.16@156.201,106.126 161.2,111.124 161.2,114 162.808,115.608 163.408,115.608 Z2.6@163.7,115.9
  Bottom Layer w0.254: v1(141.3,151.4) v1(143.1,151.4) ; v1(160.7,119.2) 160.7,116.569 162.619,116.569 163.288,115.9 Z2.6@163.7,115.9
"TEMP SOC": J7A.4 J7B.4 J7C.4 J7D.4 P2.4 U1.14 Z2.5 | length 240
  Top Layer w0.254: J7D.4@102.6,152.5 102.778,152.322 103.778,152.322 104.4,151.7 P2.4@114.62,151.7 114.3,152.02 v1(114.3,153.6) ; J7B.4@104.3,90.2 v1(123.943,90.2) ; v1(114.3,156.258) 114.329,156.229 141.271,156.229 v1(141.3,156.2) ; v1(136.6,90.2) 142.4,84.4 168.475,84.4 170.555,86.479 170.555,89.321 170.375,89.5 170.371,89.5 169.971,89.9 J7A.4@169.45,89.9 ; v1(143,156.2) 147.7,156.2 151.1,152.8 v1(160.834,152.8) ; v1(161.15,149.042) 163.2,146.992 163.2,142.6 163.274,142.526 170.667,135.133 v1(170.667,120.272) ; v1(162.358,152.8) J7C.4@166.2,152.8 ; J7A.4@165.55,89.9 165.372,90.078 164.722,90.078 163.6,91.2 163.6,100.675 160.244,104.031 157.053,104.031 156.303,104.781 156.908,105.386 U1.14@156.908,105.419 156.908,105.451 161.9,110.443 161.9,113.525 163.005,114.63 164.23,114.63 165.226,115.626 165.966,115.626 Z2.5@166.24,115.9
  Top Layer w0.508: J7D.4@98.7,152.5 J7D.4@102.6,152.5 ; J7B.4@100.4,90.2 J7B.4@104.3,90.2 ; J7A.4@165.55,89.9 J7A.4@169.45,89.9 ; J7C.4@166.2,152.8 J7C.4@170.1,152.8
  Bottom Layer w0.254: v1(114.3,153.6) v1(114.3,156.258) ; v1(123.943,90.2) v1(136.6,90.2) ; v1(141.3,156.2) v1(143,156.2) ; v1(161.15,149.042) 161.084,149.042 160.935,149.191 160.834,149.191 v1(160.834,152.8) v1(162.358,152.8) ; Z2.5@166.24,115.9 166.267,115.9 170.639,120.272 v1(170.667,120.272)
"USART1 RX": P1.2 U1.31 Z1.1 Z2.8 | length 65.6
  Top Layer w0.254: U1.31@149.098,106.833 U1.31@149.13,106.833 149.9,106.063 v1(149.9,105.9) ; 153.6,86 153.6,86.239 ; Z1.1@153.6,88.54 159.699,94.639 v1(159.846,94.639) ; v1(156.4,108.1) 157,108.7 157,114.26 P1.2@158.7,115.96 159.94,117.2 162.46,117.2 Z2.8@163.7,118.44 164.97,117.17 166.766,117.17 168.331,115.605 168.331,98.531 v1(164.4,94.6)
  Bottom Layer w0.254: v1(149.9,105.9) 149.966,105.9 150.266,106.2 154.5,106.2 v1(156.4,108.1) ; v1(159.846,94.639) 159.885,94.6 v1(164.4,94.6)
"USART1 TX": P1.1 U1.30 Z1.2 Z2.7 | length 69.2
  Top Layer w0.254: U1.30@149.484,107.186 149.516,107.186 149.972,106.73 150.522,106.73 ; Z1.2@153.887,85.713 153.887,86.054 160.633,92.8 160.633,92.805 160.762,92.933 v1(160.762,93) ; v1(155.9,108.8) 155.9,115.7 P1.1@158.7,118.5 161.2,118.5 162.41,119.71 164.97,119.71 Z2.7@166.24,118.44 169.2,115.48 169.2,97.9 v1(164.3,93)
  Bottom Layer w0.254: v1(150.74,106.882) 151.788,106.882 152.063,106.606 153.706,106.606 v1(155.9,108.8) ; v1(160.762,93) v1(164.3,93)
VC5X: C16F.1 C17.1 C18.1 C20.2 C25.1 D6.K R22.1 R24.1 R25.2 TP12.1 U8.10 | length 44.6
  Top Layer w0.254: C16F.1@135.902,130.302 136.029,130.302 137.219,129.112 137.219,128.761 137.473,128.507 C25.1@137.6,128.507 137.727,128.507 138.425,127.809 138.425,127.734 v1(138.472,127.687) ; v1(146.117,131.505) 146.117,131.941 145.716,132.342 145.716,135.316 146.9,136.5 D6.K@147.3,136.5 ; U8.10@148.34,127.556 148.349,127.565 149.006,127.565 151.3,129.858 R22.1@151.3,131.907 153.593,131.907 C17.1@153.6,131.9 ; 149.068,127.565 150.106,127.565 151.142,128.6 152.198,128.6 155.155,125.643 155.666,125.643 R25.2@155.87,125.439 157.339,125.439 TP12.1@158.2,126.3 ; v1(150.383,129.017) v1@150.4,129
  Bottom Layer w0.254: v1(138.472,127.687) 138.524,127.635 138.524,127.739 141.52,130.735 R24.1@144.98,130.735 146.745,130.735 C18.1@146.752,130.743 ; v1(146.117,131.505) 146.752,130.87 C18.1@146.752,130.743 ; v1(150.383,129.017) C20.2@148.293,129.017 148.293,129.144 147.075,130.362 147.006,130.362 146.752,130.616 C18.1@146.752,130.743
pads on no net: FID1.1 FID2.1 FID3.1 FID4.1 J1.6 J1.7 J1.8 J9.NC J10.NC M1.1 M2.1 M3.1 M4.1 M5.0 M6.0 M7.0 M8.0 U1.2 U1.3 U1.4 U1.17 U1.18 U1.19 U1.20 U1.21 U1.29 U1.38 U1.39 U1.40 U1.41 U1.44 U1.45 U1.46 U9.3 U9.10 U9.11 U9.13 U9.14 U9.15 U9.16 Z1.4 Z2.9

## Polygon pours and split planes (outlines as drawn)
no net on Top Layer "NONET_L01_P006" (solid, pour order 6): 154.178,176.784
no net on Top Layer "NONET_L01_P004" (solid, pour order 4): 159.258,177.292
"PWR SW" on Top Layer "PWR_SW_L01_P002" (solid, pour order 2): 160.336,189.521 160.336,188.251 161.098,188.251 161.098,186.981 160.59,186.981 159.574,185.965 159.574,180.123 154.494,180.123 154.494,182.663 156.272,184.441 156.272,187.235 158.558,189.521
no net on Top Solder (solid): 97.79,78.486 135,78.486 135,73.406 97.79,73.406
no net on Bottom Solder (solid): 97.79,78.486 135,78.486 135,73.406 97.79,73.406

## Silkscreen, mask and mechanical layers (free items; w line width, h text height)
Top Overlay:
  lines w0.254: 97.79,78.74 116.586,78.74 ; 97.9,73.152 116.586,73.152
  text "ISO 4mm" at 103.378,75.184 h1.52
Bottom Overlay:
  lines w0.254: 100.33,73.152 134.9,73.2 ; 100.33,78.74 134.9,78.7
  text "ISO 4mm" at 120.901,75.184 h1.52
Mechanical 1:
  lines w0.254: 97.79,40 135,40 135,80 172.212,80 172.212,200 135,200 135,160 97.79,160 ; 97.79,40.1 97.79,160.1

## Text inside footprints (layer, text, board x,y; h text height)
J7A: Top Overlay "6" at 166.84,92.854 h1.02 r90; Top Overlay "1" at 166.84,85.615 h1.02 r90
J7B: Top Overlay "6" at 103.01,87.246 h1.02 r270; Top Overlay "1" at 103.01,94.485 h1.02 r270
J7C: Top Overlay "6" at 167.49,155.754 h1.02 r90; Top Overlay "1" at 167.49,148.515 h1.02 r90
J7D: Top Overlay "6" at 101.31,149.546 h1.02 r270; Top Overlay "1" at 101.31,156.785 h1.02 r270
LOGO1: Top Overlay "H" at 337.986,34.991 h10.16
LOGO2: Top Overlay "H" at 316.777,34.991 h10.16
LYID1: Bottom Layer "2" at 312.806,50.325 h1.52; Top Layer "1" at 310.266,50.325 h1.52
U1: Top Overlay "STM32 / F042 / C6" at 155.806,103.901 h1.02 r135
Z1: Top Overlay "Saleae / Clone" at 139.376,90.318 h0.81 r270; Top Overlay "Logic / Analyzer" at 154.87,90.318 h0.81 r270
Z2: Top Overlay "Logic / Analyzer" at 168.018,109.55 h0.81 r180; Top Overlay "Saleae / Clone" at 168.018,125.044 h0.81 r180